# Altium PCB Interface_board.PcbDoc (part 2 of 3)
Units mm, origin at the board's own origin, x right, y up, seen from the top; angles counter-clockwise.
Board outline 158 x 108 mm, 4 copper layers (Component Side, GND, Power plane, Solder Side), stack 1.426 mm thick; 260 components, 154 nets, 862 pads, 877 vias.
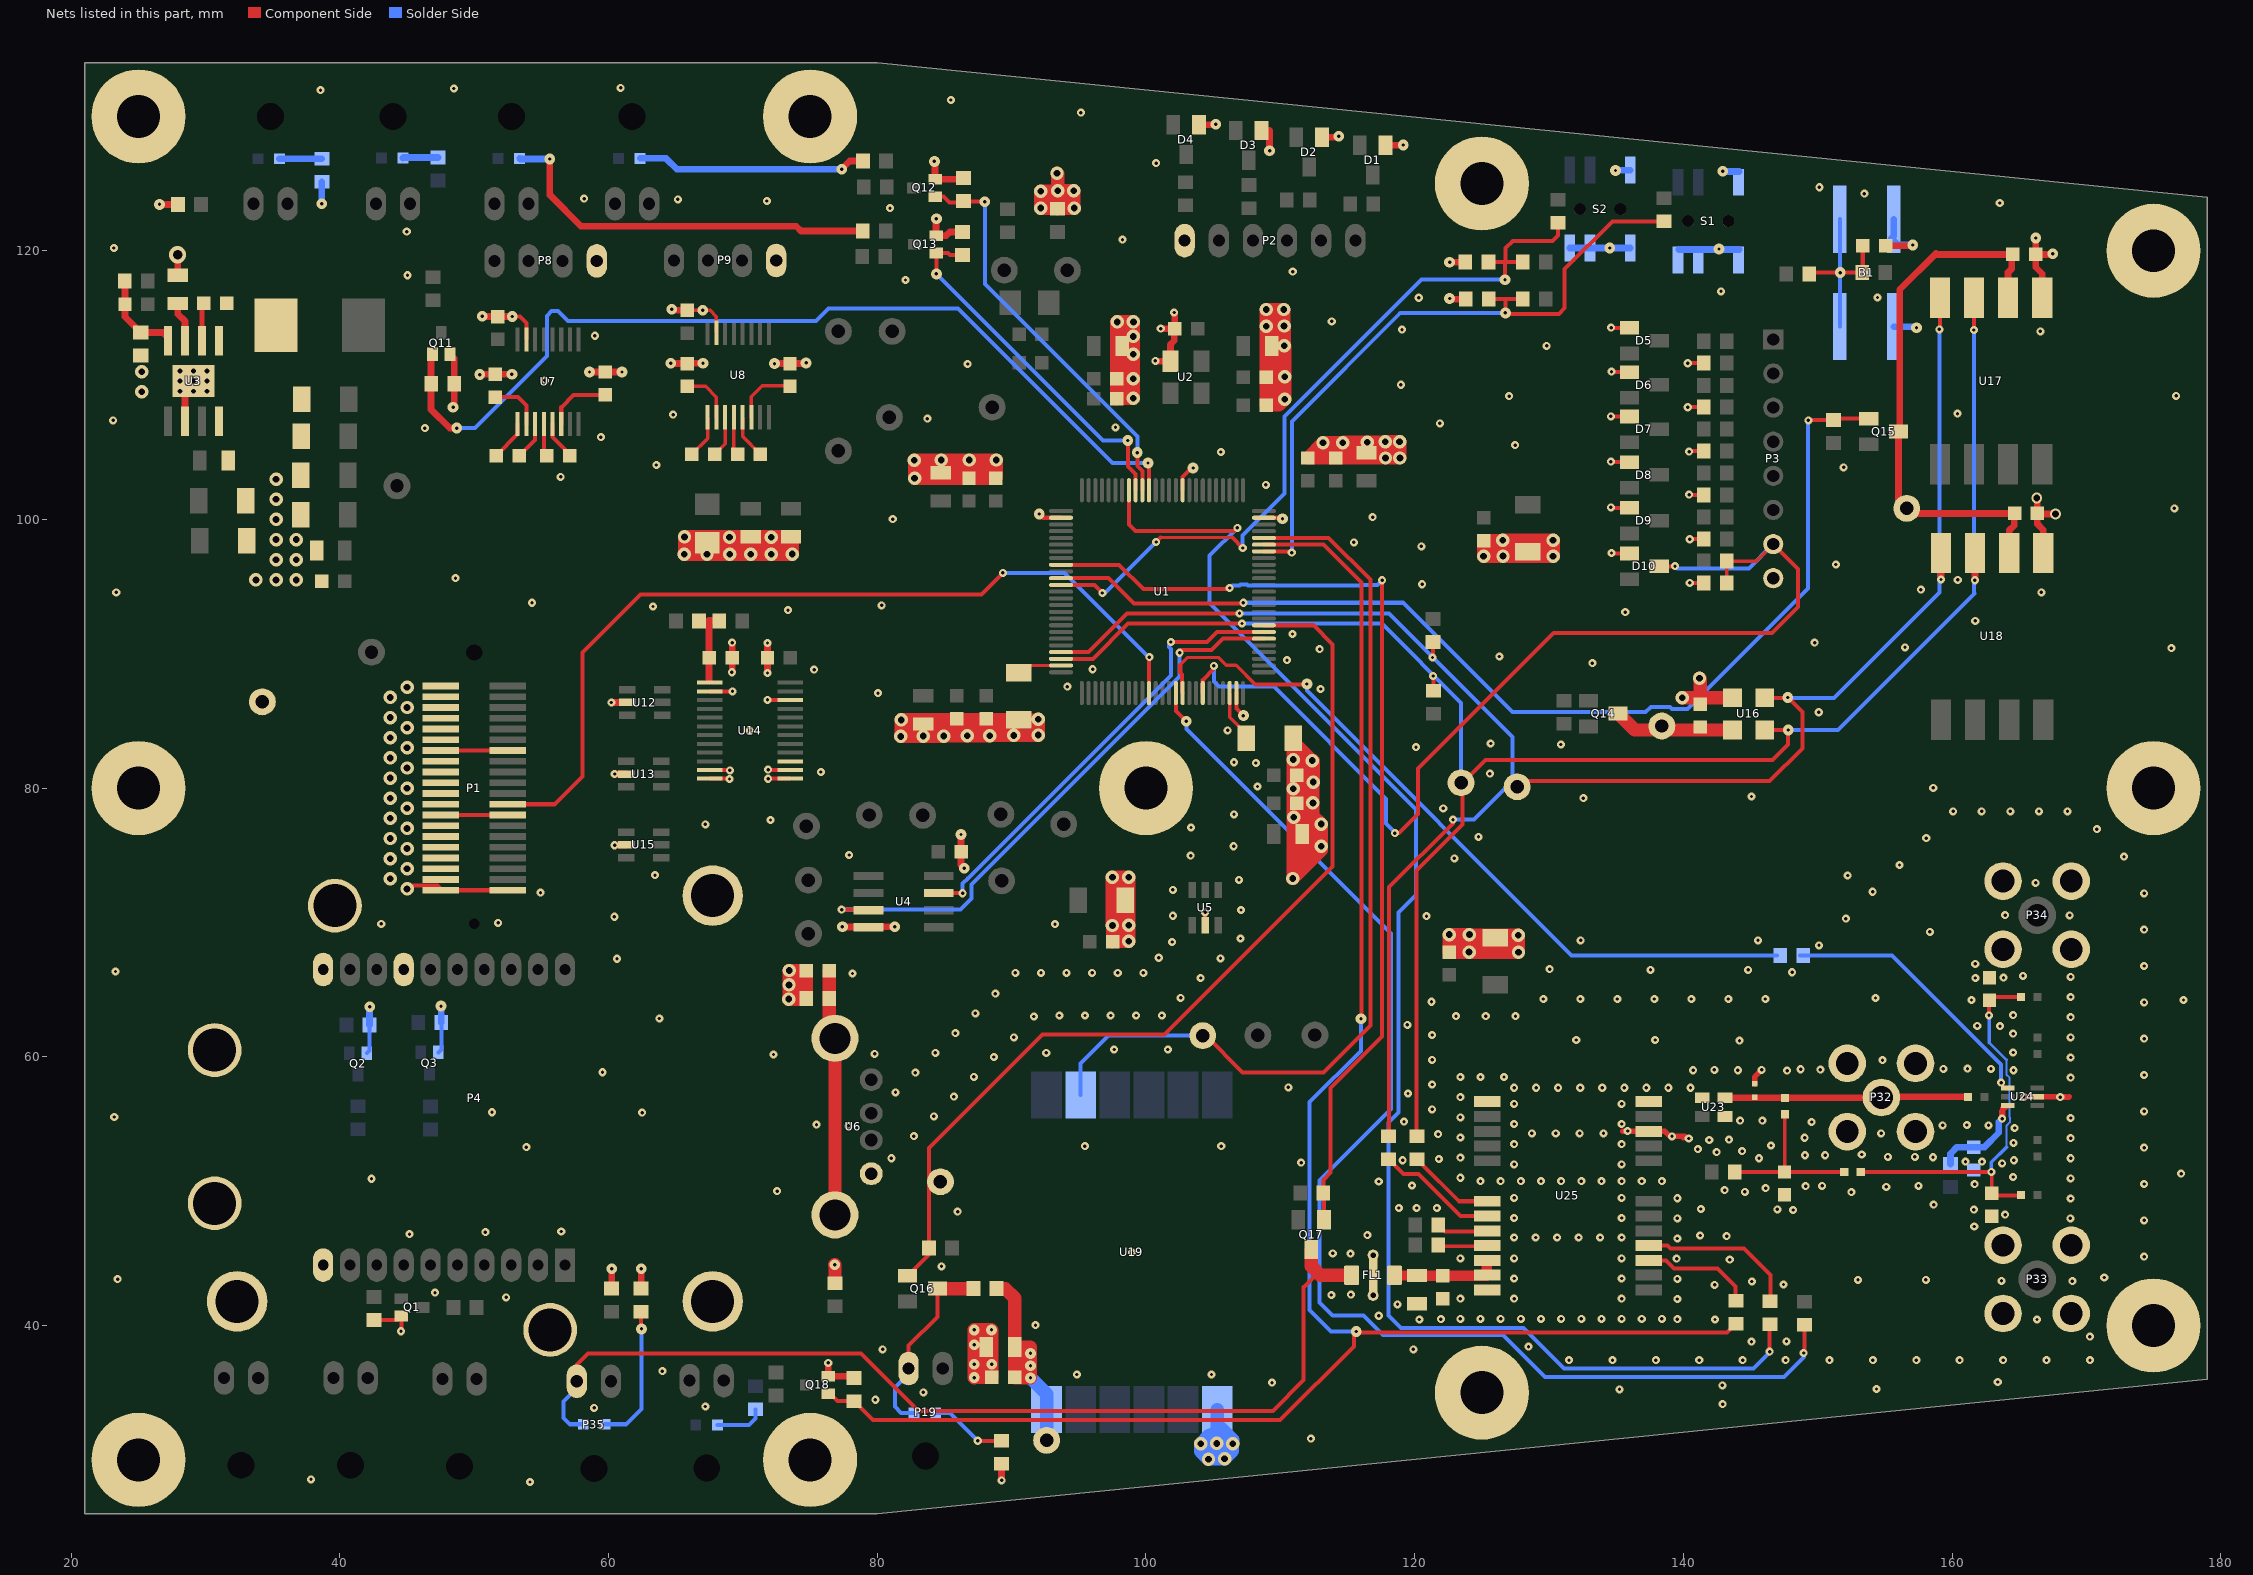
[diagram p4: the nets of this part, all layers, seen from the top]

## Via types
v1: diameter 0.6, hole 0.25, Component Side to Solder Side, 578 vias
v2: diameter 1, hole 0.5, Component Side to Solder Side, 175 vias
v3: diameter 0.8, hole 0.25, Component Side to Solder Side, 116 vias
v4: diameter 0.8, hole 0.5, Component Side to Solder Side, 4 vias
v5: diameter 2, hole 1, Component Side to Solder Side, 2 vias
v6: diameter 1.27, hole 0.711, Component Side to Solder Side, 1 vias
v7: diameter 0.6, hole 0.3, Component Side to Solder Side, 1 vias

## Nets (pads, with @x,y where several pads share a name; then routed paths per layer and width w, separated by ;. In a path a pad name is that pad's centre, name@x,y a point inside that pad or via, vN(x,y) a via of type N, cw(c..) or ccw(c..) an arc to the next point about the centre after c; other vN are vias at no path point) (continued)
AUX_I/O_6: D10.3 P3.7 R15.1 R22.2 U1.69 | length 82.1
  Component Side w0.254: R22.2@143.239,95.264 R15.1@143.239,96.9 145.425,96.9 P3.7@146.689,98.164
  Component Side w0.3: U1.69@104.225,87.075 104.225,88.065 105.05,88.89 v1(105.05,89.1) ; v1(118.525,76.65) 118.825,76.65 120.25,78.075 120.25,81.45 130.35,91.55 146.6,91.55 148.525,93.475 148.525,96.327 P3.7@146.689,98.164 ; D10.3@138.206,96.514 139.364,96.514 v1(139.375,96.525)
  Solder Side w0.3: v1(105.05,89.1) 105.05,87.925 105.42,87.555 109.52,87.555 117.875,79.2 117.875,77.355 118.525,76.705 v1(118.525,76.65) ; v1(139.375,96.525) 139.55,96.35 144.875,96.35 P3.7@146.689,98.164
BOOT0: R23.1 R24.2 R25.2 U1.94 | length 50.9
  Component Side w0.3: U1.94@108.775,97.625 110.75,97.625 v1(110.85,97.525) ; R25.2@125.514,116.4 126.75,116.4 ; R23.1@128.05,116.4 126.75,116.4 ; R24.2@138.55,122.186 134.711,122.186 131.15,118.625 131.15,115.725 130.725,115.3 127.075,115.3 126.75,115.625 126.75,116.4
  Solder Side w0.3: v1(110.85,97.525) 110.85,99.738 110.86,99.748 110.86,107.285 118.925,115.35 126.725,115.35 v3(126.75,115.375)
BOOT1: R26.1 R27.2 R28.2 U1.37 | length 57.8
  Component Side w0.2: 101.075,98.65 106.425,98.65
  Component Side w0.3: U1.37@93.675,95.125 96.15,95.125 v1(96.75,94.525) ; v1@100.7,98.275 v1(100.75,98.325) 101.075,98.65 ; 106.425,98.65 v1(107.2,97.875) ; R28.2@125.489,119.15 125.514,119.175 126.775,119.175 ; v3(126.725,117.85) 126.725,119.125 126.775,119.175 ; R26.1@128.05,119.15 128.025,119.175 126.775,119.175 ; R27.2@130.675,122.086 130.675,121.15 130.25,120.725 127.3,120.725 126.775,120.2 126.775,119.175
  Solder Side w0.3: v1(96.75,94.525) 96.95,94.525 v1(100.75,98.325) ; v1(107.2,97.875) 107.2,98.8 110.325,101.925 110.325,107.675 120.5,117.85 v3(126.725,117.85)
BUZZER: P1.24 U1.61 | length 65.6
  Component Side w0.3: P1.24@52.5,78.8 55.975,78.8 58.05,80.875 58.05,90.1 62.375,94.425 87.75,94.425 v1(89.35,96.025) ; U1.61@100.225,87.075 100.225,89.725 v1(100.25,89.75)
  Solder Side w0.3: v1(89.35,96.025) 93.925,96.025 100.2,89.75 v1(100.25,89.75)
DIF_P_SENS_ENN: Q15.1 R65.1 U1.36 | length 80.8
  Component Side w0.3: U1.36@93.675,95.625 97.225,95.625 99.1,93.75 107.2,93.75 v1(107.25,93.8) ; v1(149.3,107.375) 149.325,107.4 R65.1@151.175,107.4 151.275,107.5 Q15.1@153.8,107.5
  Solder Side w0.3: v1(107.25,93.8) 119.125,93.8 127.275,85.65 137.175,85.65 137.575,86.05 139,86.05 139.165,85.885 140.31,85.885 149.275,94.85 149.275,107.35 v1(149.3,107.375)
FLASH_HOLD: U1.82 U4.7 | length 34.3
  Component Side w0.3: U4.7@84.566,72.185 86.34,72.185 v1(86.35,72.175) ; v1(101.85,90.875) 104.55,90.875 105.3,91.625 U1.82@108.775,91.625
  Solder Side w0.3: v1(86.35,72.175) 86.35,72.9 86.77,73.32 86.782,73.32 87.18,73.718 87.18,73.73 101.85,88.4 101.85,90.363 101.7,90.513 101.7,90.66 v1@101.915,90.875
FLASH_WP: U1.81 U4.3 | length 43.5
  Component Side w0.3: v1(77.35,70.95) 79.315,70.95 U4.3@79.35,70.915 ; v1(102.505,90.079) 102.505,90.13 102.65,90.275 104.875,90.275 105.725,91.125 U1.81@108.775,91.125
  Solder Side w0.3: v1(77.35,70.95) 86.2,70.95 87.025,71.775 87.025,72.825 102.505,88.305 v1(102.505,90.079)
GND: B1.2 B1.3 C1.1 C2.1 C3.1 C4.2 C5.1 C6.1 C7.1 C8.1 C9.1 C10.1 C11.1 C12.1 C13.2 C14.1 C15.1 C16.1 C17.1 C18.1 C19.1 C20.1 C21.1 C22.1 C23.1 C24.1 C25.1 C31.1 C32.1 C33.1 C34.1 C35.1 C36.1 C37.1 C38.1 C39.1 C40.1 C41.1 C42.1 C43.1 C44.1 C47.1 C50.1 C51.1 C52.1 C53.1 C54.1 C75.1 C76.1 C77.1 C78.1 C79.1 C80.1 C81.1 C82.1 C83.1 C84.1 C85.1 C112.1 C116.1 C117.1 C118.1 C119.1 C120.1 D1.1 D2.1 D3.1 D4.1 D5.1 D6.1 D7.1 D8.1 D9.1 D10.1 D27.2 FB1.2 FL1.2 H1.0 H2.0 H3.0 H4.0 H5.0 H6.0 H7.0 H8.0 H9.0 H10.0 H11.0 P1.1 P1.3 P1.5 P1.7 P1.9 P1.11 P1.13 P1.14 P1.15 P1.17 P1.19 P1.21 P1.23 P1.25 P1.26 P1.27 P1.29 P1.31 P1.33 P1.35 P1.37 P1.39 P1.40 P2.6 P3.8 P4.0 P4.10 P4.11 P4.14 P8.4 P9.4 P32.2 P32.3 P32.4 P32.5 P33.2 P33.3 P33.4 P33.5 P34.2 P34.3 P34.4 P34.5 pad.0 pad.GND Q1.2 Q2.2 Q3.2 Q11.2 Q12.2 Q13.2 Q18.2 R6.1 R17.1 R18.1 R19.1 R20.1 R21.1 R22.1 R25.1 R28.1 R29.1 R33.2 R34.1 R35.1 R59.1 R60.1 R61.1 R62.1 R63.1 R67.1 R68.1 R85.1 R86.1 R89.2 S1.1 S1.4 S1.5 S1.6 S2.1 S2.4 S2.5 S2.6 TP6.1 U1.10 U1.27 U1.74 U1.99 U2.2 U3.6 U3.8 U3.PD U4.4 U5.2 U6.4 U7.15 U8.15 U12.2 U13.2 U14.2 U14.11 U14.12 U14.13 U14.14 U14.15 U14.22 U15.2 U16.4 U17.1 U18.1 U19.7 U23.2 U23.4 U24.2 U25.10 U25.12 U25.13 U25.24 | length 490.8
  Component Side w0.254: C50.1@65.85,115.575 v3(67,115.575) 67.55,115.575 68.025,115.1 U8.15@68.025,113.9
  Component Side w0.3: R33.2@42.525,40.411 44.286,40.411 Q1.2@44.575,40.7 44.575,39.6 v1(44.55,39.575) ; v2(45,72.5) 45.25,72.75 47.25,72.75 47.6,72.4 P1.40@52.5,72.4 ; P1.25@47.5,78 P1.26@52.5,78 ; P1.13@47.5,82.8 P1.14@52.5,82.8 ; v3(52.828,115.106) 53.394,115.106 53.875,114.625 U7.15@53.875,113.4 ; U14.12@67.525,80.7 68.975,80.7 v1(69,80.675) ; U14.11@67.525,81.35 69,81.35 v1(69.025,81.325) ; U14.2@67.525,87.2 v1(69.225,87.2) ; v1(71.825,86.575) 71.85,86.55 U14.22@73.525,86.55 ; v1(71.875,80.7) U14.13@73.525,80.7 ; v1(71.875,81.375) 71.9,81.35 U14.14@73.525,81.35 ; v3(92.05,100.4) 92.325,100.125 U1.27@93.675,100.125 ; U1.10@102.725,102.175 102.725,103.15 103.405,103.83 v3(103.505,103.83) ; U5.2@104.4,69.8 v1(104.4,70.75) ; U1.74@106.725,87.075 106.725,85.925 v3(107.25,85.4) ; U1.99@108.775,100.125 110.085,100.125 v3(110.155,100.055) ; v1(134.6,100.9) 134.636,100.864 D9.1@135.989,100.864 ; v1(134.6,104.3) 134.636,104.264 D8.1@135.989,104.264 ; v1(134.6,107.675) 134.611,107.664 D7.1@135.989,107.664 ; v1(134.625,114.275) 134.636,114.264 D5.1@135.989,114.264 ; v1(134.65,97.5) 134.686,97.464 D10.1@135.989,97.464 ; v1(134.65,111) 134.686,110.964 D6.1@135.989,110.964 ; v1(140.325,108.35) 140.33,108.355 R18.1@141.525,108.355 ; v1(140.325,111.625) 140.327,111.627 R17.1@141.525,111.627 ; v1(140.425,101.85) 140.466,101.809 R20.1@141.525,101.809 ; v1(140.425,105.05) 140.457,105.082 R19.1@141.525,105.082 ; v1(140.475,95.275) 140.486,95.264 R22.1@141.525,95.264 ; v1(140.475,98.525) 140.486,98.536 R21.1@141.525,98.536
  Component Side w0.4: 135.501,54.451 U25.10@137.42,54.451 138.624,54.451 139,54.075 v1(139.15,54.075) 139.9,54.075 ; D27.2@145.3,58 145.3,58.5 v1(145.825,59.025) ; v1(165.35,57.025) U24.2@166.35,57.025 168.475,57.025 ; v1(168.05,57) 168.675,57 168.725,57.05 ; 139.9,54.075 140,53.975 140.1,54.075 139.9,54.075
  Component Side w0.5: v3(26.575,123.45) R60.1@27.95,123.45 ; C40.1@27.925,118.175 v6(27.925,119.7) ; U3.6@28.465,107.3 28.465,109.665 U3.PD@29.1,110.3 ; Q11.2@48.2,112.3 48.5,112 R61.1@48.5,110.1 48.5,108.425 v3(48.425,108.35) ; v3(50.402,110.78) 50.422,110.8 v3(52.8,110.8) C51.1@51.55,110.8 ; v3(50.6,115.125) 50.619,115.106 v3(52.828,115.106) 52.822,115.1 C47.1@51.75,115.1 ; v3(58.575,110.975) C52.1@59.75,110.975 v3(61,110.975) ; v1(60.2,86.375) U12.2@61.375,86.375 ; R85.1@60.225,42.875 v3(60.225,44.225) ; v1(60.45,75.75) 60.475,75.775 U15.2@61.3,75.775 ; v1(60.45,81.05) U13.2@61.3,81.05 ; R86.1@62.425,42.75 v3(62.425,44.225) ; v3(64.7,115.65) 64.775,115.575 C50.1@65.85,115.575 ; C53.1@65.85,111.6 64.65,111.6 v3(64.625,111.625) v3(67.025,111.625) ; v1(69.175,88.625) 69.2,88.65 C78.1@69.2,89.7 v1(69.2,90.825) ; v1(71.825,88.575) C77.1@71.825,89.7 v1(71.825,90.8) ; v3(72.35,111.6) v3@74.65,111.6 ; C54.1@73.5,111.6 v3@74.65,111.6 ; v3(74.7,111.65) v3@74.65,111.6 ; v1(76.35,37.225) Q18.2@76.35,36.225 78.114,36.225 R89.2@78.25,36.089 ; U4.4@79.35,69.645 77.43,69.645 v3(77.4,69.675) v3(81.3,69.675) ; v3(84.25,126.65) 84.3,126.6 Q12.2@84.3,125.325 86.311,125.325 R62.1@86.4,125.414 ; v3(84.4,122.375) 84.375,122.35 Q13.2@84.375,121.125 85.125,121.125 85.4,121.4 R63.1@86.325,121.4 ; C41.1@86.25,75.25 86.25,76.525 v3(86.225,76.55) 86.225,74.275 86.471,74.029 v3(86.479,74.029) ; v1(89.25,28.475) R67.1@89.25,29.7 ; v1(100.7,111.8) 100.725,111.775 U2.2@101.825,111.775 101.825,113.025 102.1,113.3 102.1,114.15 C1.1@102.15,114.2 ; v1(101.1,114.2) C1.1@102.15,114.2 ; v1(102.1,115.4) 102.15,115.35 C1.1@102.15,114.2 ; D4.1@103.95,129.375 105.15,129.375 v3(105.2,129.425) ; D3.1@108.6,128.95 109.2,128.95 v3(109.2,127.45) ; D2.1@113.1,128.45 114.275,128.45 v3(114.35,128.525) ; D1.1@117.825,127.85 119.125,127.85 v3(119.15,127.875) ; v3(122.6,116.45) 122.65,116.4 R25.1@123.8,116.4 ; v3(122.6,119.15) R28.1@123.775,119.15 ; C4.2@155.05,120.375 157.025,120.375 v3(157.075,120.425) ; v3(166.225,120.95) C82.1@166.225,119.725 ; v4(166.3,101.6) 166.35,101.55 C83.1@166.35,100.45 C83.1@166.35,100.4 ; U17.1@166.71,116.5 166.71,118.29 166.225,118.775 C82.1@166.225,119.725 ; U18.1@166.79,97.5 166.79,99.21 166.35,99.65 C83.1@166.35,100.4 ; v3(167.5,119.775) 167.45,119.725 C82.1@166.225,119.725 ; v4(167.7,100.4) C83.1@166.35,100.4
  Component Side w1: 65.825,98.075 65.9,98 72.975,98 72.875,98.1 68.425,98.1 v2(69,98.675) v2(72.1,98.675) 73.65,98.675 73.675,98.65 v2(73.675,97.425) 73.65,97.45 73.6,97.4 v2(72.1,97.4) v2(70.575,97.4) v2(69.025,97.4) v2(67.325,97.4) v2(65.625,97.4) 65.65,97.425 v2(65.65,98.7) C12.1@70.575,98.7 C11.1@73.575,98.7 ; v3(76.825,44.525) 76.85,44.5 R68.1@76.85,43.15 ; 82.625,84.475 82.75,84.6 90.075,84.6 90.525,85.05 91.9,85.05 v2(91.975,85.125) v2(91.975,83.95) 91.95,83.925 v2(90.15,83.925) 88.4,83.925 v2(88.375,83.9) v2(86.7,83.9) 84.975,83.9 v2(84.95,83.875) v2(83.425,83.875) 83.4,83.85 v2(81.75,83.85) 81.775,83.875 v2(81.775,85.075) C3.1@90.525,85.075 ; 83.3,103.8 83.325,103.775 88.1,103.775 88.1,103.75 C17.1@88.775,103.075 ; C17.1@88.825,103.075 C17.1@88.775,103.075 ; v2@92.275,124.15 93.125,123.3 FB1.2@93.425,123.3 ; v2(93.375,125.775) 93.425,125.725 v2(93.425,124.475) ; FB1.2@93.425,123.114 FB1.2@93.425,123.175 ; C76.1@97.525,68.55 C76.1@97.525,68.6 ; C10.1@97.825,108.975 C9.1@97.825,110.475 97.825,114.675 v2(97.85,114.7) v2(99.065,114.7) 99.065,113.64 v2(99.05,113.625) v2(99.05,112.3) v2(99.05,110.475) v2(99.05,109.025) 98.35,109.025 98.35,113.95 98.4,114 ; 98.125,72.725 98.1,72.7 98.1,68.6 ; C8.1@108.95,108.5 C7.1@108.95,110.6 v2(108.95,114.375) v2(108.95,115.625) v2(110.25,115.625) 110.25,114.425 v2(110.275,114.4) 110.275,112.95 v2(110.3,112.925) 110.325,112.9 v2(110.325,110.625) 110.325,108.961 v2(110.33,108.955) 109.9,108.525 109.6,108.525 109.675,108.6 109.625,108.65 109.625,115.075 ; v2(110.925,73.275) v2@110.95,73.3 ; C2.1@110.95,83.7 C2.1@110.95,83.525 ; 111.55,81.9 111.55,79.975 ; C24.1@112.025,104.575 C24.1@112.075,104.575 ; 118.425,105.2 118.35,105.125 112.625,105.125 C24.1@112.075,104.575 ; C80.1@122.575,67.8 v2(124.05,67.8) 127.7,67.8 v2(127.725,67.775) 127.725,69.025 v2(127.7,69.05) 124.125,69.05 v2(124.075,69.1) v2(122.575,69.1) 122.575,67.925 122.875,68.225 122.875,68.5 126.9,68.5 127.025,68.375 ; C44.1@125.125,98.425 126.525,98.425 v2(126.55,98.45) v2(130.3,98.45) v2(130.3,97.25) 126.6,97.25 v2(126.575,97.275) 125.15,97.275 v2(125.125,97.25) 125.125,98.15 125.175,98.2 125.575,97.8 129.725,97.8 129.775,97.85 ; v2(139.925,86.725) C81.1@141.25,86.725 ; v2(141.2,88.175) 141.25,88.125 C81.1@141.25,86.725 ; C81.1@141.25,86.25 C81.1@141.25,86.725 ; U16.4@143.65,86.725 C81.1@141.25,86.725 ; v2(73.425,65.35) 73.75,65.35 R29.1@74.725,64.375 ; v2(73.425,65.35) 73.425,64.325 v2(73.4,64.3) 74.65,64.3 R29.1@74.7,64.35 R29.1@74.725,64.375 ; v2(73.425,65.35) v2@73.45,65.375 ; v2@73.45,65.375 v2(73.45,66.425) 73.475,66.4 C42.1@74.475,66.4 ; v2@73.45,65.375 C42.1@74.475,66.4 ; C42.1@74.475,66.4 C42.1@74.725,66.4 R29.1@74.725,64.375 ; v3(87.225,37.125) v3(87.225,36.125) 87.25,36.15 87.888,36.15 ; v3(87.225,37.125) 87.888,37.125 ; v3(87.225,37.125) v3(87.225,38.575) v3(87.225,39.675) 87.875,39.675 ; 87.875,39.675 87.888,39.663 87.888,37.125 ; 87.875,39.675 v3(88.5,39.675) 88.525,39.65 v3(88.525,37.125) ; 87.888,36.15 C84.1@88.525,36.15 v3(88.525,37.125) ; 87.888,36.15 87.888,37.125 ; 87.888,37.125 v3(88.525,37.125) ; C17.1@88.775,103.075 C16.1@86.825,103.075 v2(82.775,103.075) 82.775,104.375 v2(82.75,104.4) 84.725,104.4 v2(84.75,104.425) v2(86.85,104.425) v2(88.85,104.425) 88.85,103.15 C17.1@88.775,103.075 ; FB1.2@93.425,123.175 FB1.2@93.425,123.3 ; FB1.2@93.425,123.175 v2(92.175,123.175) v2(92.175,124.425) 93.3,124.425 93.2,124.325 v2@93.425,124.325 ; FB1.2@93.425,123.175 v2(94.65,123.175) 94.625,123.2 v2(94.625,124.475) v2(93.425,124.475) ; FB1.2@93.425,123.3 v2@93.425,124.325 ; FB1.2@93.425,123.3 93.475,123.3 94.5,124.325 v2@93.425,124.325 ; v2@93.425,124.325 v2(93.425,124.475) ; C76.1@97.525,68.6 97.525,69.75 v2(97.5,69.775) v2(97.5,73.375) v2(98.725,73.375) v2(98.725,69.8) v2(98.725,68.6) 98.1,68.6 ; C76.1@97.525,68.6 98.1,68.6 ; v2@110.95,73.3 113.04,75.39 v2(113.04,75.675) v2(113.04,77.325) 112.425,77.94 v2(112.425,78.9) 112.425,80.425 v2(112.45,80.45) 112.45,82.034 112.43,82.054 v2(112.38,82.054) v2@112.346,82.054 ; v2@110.95,73.3 v2(110.95,79.95) ; v2(110.95,79.95) 111.525,79.95 111.55,79.975 ; v2(110.95,79.95) C22.1@111.55,79.35 ; v2(110.95,79.95) v2(110.95,82.125) ; v2(110.95,82.125) 110.996,82.079 v2@112.321,82.079 ; v2(110.95,82.125) C2.1@110.95,83.525 ; C2.1@110.95,83.525 111.075,83.65 111.075,83.325 v2@112.321,82.079 ; C20.1@111.55,77.275 v2(111,77.825) 111.3,77.825 111.55,78.075 ; C20.1@111.55,77.275 111.65,77.175 C20.1@111.925,77.175 ; C20.1@111.55,77.275 111.55,76.7 C20.1@111.925,76.325 ; C20.1@111.55,77.275 111.55,78.075 ; 111.55,78.075 112.275,78.8 112.1,78.8 C22.1@111.55,79.35 ; 111.55,78.075 C22.1@111.55,79.35 ; C22.1@111.55,79.35 111.55,79.975 ; 111.55,79.975 112.15,80.575 112.15,81.8 112.375,82.025 v2@112.346,82.054 ; C20.1@111.925,76.325 C20.1@112.05,76.2 ; C20.1@111.925,76.325 111.925,76.175 C20.1@111.975,76.125 ; C20.1@111.925,76.325 C20.1@111.925,77.175 ; C20.1@111.925,77.175 112.425,77.175 111.925,77.675 C20.1@111.925,77.175 ; C20.1@111.975,76.125 C20.1@112.05,76.05 ; C20.1@111.975,76.125 111.525,75.675 111.525,74.8 112.275,75.55 112.275,75.75 ; C20.1@111.975,76.125 C20.1@112.05,76.2 ; C20.1@112.05,76.05 112.275,75.825 112.275,75.75 ; C20.1@112.05,76.05 111.85,75.85 111.85,75.325 112.275,75.75 ; C20.1@112.05,76.05 112.125,76.125 ; C20.1@112.05,76.2 112.125,76.125 ; C20.1@112.05,76.2 112.375,76.525 112.525,76.525 112.125,76.125 ; C24.1@112.075,104.575 C25.1@114.125,104.575 v2(117.825,104.575) v2(118.9,104.575) 118.9,105.75 v2(118.875,105.775) v2(117.8,105.775) 117.775,105.75 v2(116.475,105.75) 114.7,105.75 v2(114.65,105.7) v2(113.175,105.7) 112.075,104.6 C24.1@112.075,104.575 ; 112.125,76.125 112.425,75.825 112.35,75.825 112.275,75.75 ; v2@112.321,82.079 v2@112.346,82.054
  Solder Side w0.3: Q2.2@42,60.275 42.2,60.475 R34.1@42.2,62.375 ; Q3.2@47.325,60.325 47.55,60.55 R35.1@47.55,62.55
  Solder Side w0.5: v3(38.65,123.5) R59.1@38.65,125.125 ; R34.1@42.2,62.375 42.2,63.7 v3(42.225,63.725) ; v3(47.525,63.775) 47.55,63.75 R35.1@47.55,62.55 ; S2.4@131.55,120.2 S2.5@133.05,120.2 v3(134.525,120.2) S2.6@136.05,120.2 ; v3(134.95,125.975) 134.975,126 S2.1@136.05,126 ; S1.4@139.65,120.1 S1.6@144.15,120.1 ; v3(142.925,125.925) 142.95,125.9 S1.1@144.15,125.9 ; B1.3@155.65,114.35 157.275,114.35 v3(157.35,114.275) ; B1.2@155.65,122.35 155.65,121.075 155.487,120.913 155.975,120.425 v3(157.075,120.425)
  Solder Side w1: 104.75,31.85 104.725,31.85 v2@104.1,31.225 ; v2@105.3,31.25 v2(105.275,31.225) ; U19.7@105.3,33.75 U19.7@105.3,32.3 ; v2@104.1,31.225 v2(104.075,31.2) 104.075,30.625 v2(104.65,30.05) v2@104.683,30.083 ; v2@104.1,31.225 v2(105.275,31.225) ; v2@104.683,30.083 v2(105.85,30.083) ; v2@104.683,30.083 105.275,30.675 ; 105.275,30.675 v2(105.275,31.225) ; 105.275,30.675 105.275,30.658 v2(105.85,30.083) ; v2(105.275,31.225) v2@106.425,31.225 ; v2(105.275,31.225) 105.275,32.275 U19.7@105.3,32.3 ; U19.7@105.3,32.3 105.65,32.3 106.45,31.5 v2(106.45,31.2) v2@106.425,31.225 ; v2(105.85,30.083) 106.425,30.658 v2@106.425,31.225
  other v1: 54.15,28.35 37.85,28.55 112.275,31.575 58.925,33.875 67.2,33.975 142.925,34.15 79.85,34.475 83.425,35.025 135.25,35.25 154.375,35.275 142.9,35.55 109.375,35.75 163.4,35.8 94.85,36.35 104.875,36.35 64,36.6 131.488,37.425 134.719,37.425 137.95,37.425 141.181,37.425 144.413,37.425 147.607,37.427 150.875,37.425 154.106,37.425 157.337,37.425 160.569,37.425 163.8,37.425 167.031,37.425 170.262,37.425 80.4,38.225 119.9,38.225 128.475,38.425 145.075,38.8 147.675,38.825 170.25,39.175 91.775,40.025 120.35,40.45 142.35,40.45 166.325,40.45 121.95,40.475 123.4,40.5 124.9,40.5 126.4,40.5 127.9,40.5 129.4,40.5 130.9,40.5 132.4,40.5 133.9,40.5 135.4,40.5 136.9,40.5 138.4,40.5 139.55,40.475 117.325,40.725 118.725,41.575 139.55,41.975 123.4,42 127.4,42 135.4,42 52.375,42.1 113.8,42.275 115.25,42.3 47.075,42.45 142.325,43.025 147.45,43.05 145.1,43.275 168.95,43.3 163.675,43.325 153,43.4 158.05,43.4 23.45,43.45 139.55,43.475 127.4,43.5 135.4,43.5 171.325,43.575 84.775,44.4 143.45,44.9 139.5,44.975 123.4,45 127.4,45 135.4,45 174.3,45.125 115.225,45.35 113.9,45.375 98.95,45.425 139.55,46.475 127.4,46.55 129,46.55 130.6,46.55 132.2,46.55 133.8,46.55 135.4,46.55 143.225,46.65 141.25,46.7 116.475,46.725 45.175,46.8 50.825,46.95 56.475,47 161.65,47.375 174.3,47.83 139.55,47.975 168.8,47.975 127.4,48 135.4,48 163.95,48.25 85.975,48.475 148.175,48.6 161.625,48.625 147,48.65 141.3,48.675 118.825,48.75 120.15,48.75 121.65,48.75 158.625,49 168.825,49.45 139.55,49.475 127.4,49.5 135.4,49.5 152.5,49.925 144.575,49.95 72.55,50 143.075,50.075 146.125,50.225 155.1,50.325 149.1,50.375 150.325,50.4 157.5,50.4 119.8,50.425 161.675,50.525 174.3,50.534 117.325,50.725 124.9,50.75 126.4,50.75 127.9,50.75 129.4,50.75 130.9,50.75 132.4,50.75 133.9,50.75 135.4,50.75 136.9,50.75 138.4,50.75 42.35,50.925 168.825,50.95 123.4,51 164.55,51.05 177.05,51.3 127.4,52 135.4,52 163.725,52.075 111.55,52.125 161,52.2 162.225,52.2 119.1,52.3 164.6,52.3 121.8,52.4 81.05,52.45 145.625,52.45 168.825,52.45 123.4,52.5 158.575,52.525 155.225,52.55 157.225,52.55 149.05,52.675 150.55,52.675 153.275,52.725 142.475,52.9 144.375,52.975 141.075,53.125 174.3,53.239 53.875,53.275 95.45,53.35 105.6,53.35 146.525,53.4 127.4,53.5 135.4,53.5 164.575,53.6 141.926,53.812 143.393,53.83 140.4,53.925 168.825,53.95 149.025,53.975 123.4,54 82.725,54.1 121.75,54.245 128.725,54.3 130.5,54.3 132.275,54.3 134.05,54.3 154.725,54.3 135.85,54.475 164.658,54.703 77.859,54.863 159.3,54.9 161.1,54.925 162.708,54.903 75.475,54.95 127.4,55 135.4,55 149.55,55.15 119.2,55.175 144.225,55.25 145.875,55.25 168.825,55.45 123.4,55.5 23.2,55.525 84.212,55.571 62.5,55.85 51.325,55.875 174.3,55.943 121.3,56.09 127.4,56.5 135.4,56.5 123.4,57 85.7,57.042 119.5,57.275 81.35,57.35 127.4,57.7 129.041,57.7 130.681,57.7 132.322,57.7 133.962,57.7 135.603,57.7 137.244,57.7 138.884,57.7 140.525,57.7 110.6,57.725 121.3,57.935 168.825,58.45 123.4,58.5 124.9,58.5 126.65,58.5 87.187,58.512 174.3,58.648 82.838,58.821 59.55,58.85 147.725,58.975 140.725,59 144.05,59 164.575,59 142.3,59.025 150.2,59.05 148.725,59.075 159.35,59.1 162.9,59.1 161.15,59.125 154.825,59.75 121.3,59.78 168.825,59.95 88.675,59.983 72.275,60.175 79.8,60.225 84.325,60.292 92.575,60.3 164.55,60.325 97.625,60.55 101.625,60.55 144.175,61.2 132.025,61.25 137.9,61.25 174.3,61.352 90.162,61.454 168.825,61.45 121.3,61.625 164.55,61.725 85.813,61.762 163.567,62.279 161.875,62.3 119.45,62.375 63.775,62.85 168.825,62.95 91.65,63 123.075,63.025 125.287,63.025 127.5,63.025 93.555,63.075 95.46,63.075 97.365,63.075 99.27,63.075 101.175,63.075 164.55,63.101 87.3,63.233 174.3,64.057 121.25,64.1 161.45,64.225 177.225,64.225 129.575,64.3 132.329,64.3 135.083,64.3 137.837,64.3 140.592,64.3 143.346,64.3 146.1,64.3 154.3,64.375 102.575,64.392 168.825,64.45 88.788,64.704 104.062,65.862 161.733,65.872 163.83,65.893 168.825,65.95 165.275,66.025 78.15,66.2 90.275,66.25 92.18,66.25 94.085,66.25 95.99,66.25 97.895,66.25 99.8,66.25 148.096,66.296 23.3,66.35 137.55,66.475 144.825,66.475 130.05,66.525 174.3,66.761 161.725,66.925 60.625,67.3 105.55,67.333 100.95,67.375 150.093,68.293 101.95,68.55 132.35,68.675 145.55,68.675 107.037,68.804 158.35,69.3 174.3,69.466 93.225,69.875 43.075,69.9 51.775,69.975 152.089,70.289 60.425,70.425 120.875,70.475 102,70.5 168.75,70.525 163.95,70.55 107.075,70.925 174.3,72.17 54.925,72.225 154.086,72.286 102,72.425 166.225,72.95 106.925,73.175 152.225,73.5 63.45,73.525 156.082,74.282 122.95,74.775 172.8,74.9 103.325,74.975 77.9,75.025 106.525,75.675 158.079,76.279 124.75,76.375 170.775,76.95 103.35,77.075 67.2,77.3 72.05,77.625 106.55,78.05 160.075,78.275 162.205,78.275 164.335,78.275 166.465,78.275 168.595,78.275 122.125,78.5 132.55,79.25 145.075,79.375 158.6,80.025 108.3,80.125 125.6,81.075 75.8,81.2 108.175,81.875 106.55,81.925 120.1,83.05 130.875,83.25 125.65,83.325 70.5,84.3 106.075,84.3 150.075,85.65 80.05,87.075 113,87.375 94.15,87.55 75.3,88.825 96.025,88.85 133.225,89.3 110.5,89.525 126.3,89.8 112.925,90.35 176.325,90.425 156.5,90.475 149.775,90.825 110.9,91.475 161.725,92.45 135.675,93.1 73.35,93.25 63.3,93.525 80.325,93.6 54.3,93.8 23.35,94.575 166.65,94.575 157.675,94.775 120.55,95.175 160.42,95.5 48.6,95.625 151.35,96.65 120.5,98 115.475,98.3 81.15,100.025 116.875,100.175 176.55,100.825 108.925,102.575 56.425,103.175 151.925,103.875 63.55,104.05 105.575,105.025 127.475,105.525 59.425,106.125 46.325,106.8 97.725,106.85 121.875,107.15 23.125,107.375 83.725,107.5 64.8,107.8 160.4,107.875 127.025,109.175 176.675,109.2 118.975,110.025 55.25,110.35 86.725,111.575 129.825,112.925 58.975,113.675 166.575,114 119.05,114.125 113.825,114.75 120.3,116.5 154.45,116.525 142.8,116.975 82.1,117.825 45.025,118.175 110.925,118.45 23.175,120.2 98.25,120.825 44.975,121.425 80.95,123.175 163.55,123.55 71.775,123.7 65.15,123.825 58.175,123.875 153.475,124.25 150.125,124.725 100.75,126.525 95.15,130.275 85.475,131.225 38.55,131.95 48.475,132.075 60.9,132.125
  other v2: 43.75,73.25 45,74 43.75,74.75 45,75.5 43.75,76.25 45,77 43.75,77.75 45,78.5 43.75,79.25 45,80 43.75,80.75 45,81.5 43.75,82.25 45,83 43.75,83.75 45,84.5 43.75,85.25 45,86 43.75,86.75 45,87.5 33.75,95.5 35.25,95.5 36.75,95.5 35.25,97 36.75,97 35.25,98.5 36.75,98.5 35.25,100 35.25,101.5 35.25,103 25.25,109.5 25.25,111
  other v3: 142.65,120.125
GPS_ENN: Q17.1 R83.1 U1.34 | length 74.7
  Component Side w0.3: U1.34@93.675,96.625 98,96.625 99.8,94.825 106.3,94.825 106.375,94.9 v1(106.225,94.9) ; Q17.1@113.25,47.875 113.25,49.825 R83.1@113.2,49.875 113.2,50.85 113.75,51.4 ; 113.75,51.425 113.75,57.675 117.575,61.5 v1(117.575,95.475)
  Solder Side w0.3: v1(106.225,94.9) 106.425,95.1 106.977,95.1 107.032,95.155 107.529,95.155 107.583,95.1 115.936,95.1 115.961,95.125 117.225,95.125 v1(117.575,95.475)
GPS_EXTINT: FB11.2 U1.18 | length 110.2
  Component Side w0.3: U1.18@98.725,102.175 98.725,99.625 99.225,99.125 106.55,99.125 v1(106.8,99.375) ; v1(146.425,38.05) 146.425,40.061 FB11.2@146.45,40.086
  Solder Side w0.3: v1(106.8,99.375) 104.725,97.3 104.725,93.775 120.1,78.4 120.1,72.048 118.8,70.748 118.8,55.85 118.06,55.11 118.06,40.74 118.975,39.825 128.1,39.825 131.125,36.8 145.225,36.8 v1@146.45,38.025
GPS_RESETN: FB12.2 U1.65 | length 95.5
  Component Side w0.3: U1.65@102.225,87.075 102.225,85.75 v3(103,84.975) ; v1(148.95,37.95) 149,38 FB12.2@149,40.061
  Solder Side w0.3: v3(103,84.975) 103,84.4 118.225,69.175 118.225,56.1 112.925,50.8 112.925,41.725 113.9,40.75 116.175,40.75 117.625,39.3 126.575,39.3 129.7,36.175 147.475,36.175 148.963,37.663 v1@148.963,37.938
GPS_SWITCH: FB9.1 U1.66 | length 56.3
  Component Side w0.25: 102.55,89.175 102.7,89.325 102.7,89.338 103.037,89.675 103.05,89.675 103.1,89.725 105.383,89.725 105.958,89.15 106.7,89.15 108.15,87.7
  Component Side w0.3: 102.55,89.175 102.55,88.6 102.675,88.475 102.675,87.125 U1.66@102.725,87.075 ; 108.15,87.7 111.925,87.7 v3(111.975,87.75)
  Solder Side w0.3: v3(111.975,87.75) 111.975,87.25 131.675,67.55 FB9.1@146.95,67.55
GPS_TIMEPULSE: FB10.2 Q18.1 R89.1 U1.95 | length 140.3
  Component Side w0.3: Q18.1@76.35,34.925 76.475,34.925 77.025,34.375 R89.1@78.25,34.375 79.675,32.95 109.975,32.95 115.475,38.45 115.475,39.475 143.264,39.475 FB10.2@143.925,40.136 ; U1.95@108.775,98.125 108.8,98.15 113.2,98.15 116.05,95.3 116.05,62.925 v3(116,62.825)
  Solder Side w0.3: v3(115.65,39.55) 113.775,39.55 112.175,41.15 112.175,56.625 116,60.45 v3(116,62.825)
I2C2_SCL: FB5.1 R1.1 TP2.1 U1.47 U16.3 U17.4 U18.4 | length 141.3
  Component Side w0.3: U1.47@93.675,90.125 95.725,90.125 98.563,92.963 98.55,92.975 98.58,93.005 v1(106.955,93.005) ; FB5.1@118.1,54.275 118.1,72.625 122.85,77.375 v1(122.85,77.65) ; v1(121.325,89.725) 121.35,89.75 R1.1@121.35,90.875 R1.1@121.35,91.1 ; TP2.1@127.275,80.525 146.425,80.525 148.85,82.95 148.85,85.675 v3(147.775,86.75) 147.75,86.725 U16.3@146.05,86.725 ; v1(159.05,114.15) 159.09,114.19 U17.4@159.09,116.5
  Component Side w0.5: U18.4@159.17,97.5 159.17,95.53 v1(159.175,95.525)
  Solder Side w0.3: v1(106.955,93.005) 118.07,93.005 127.275,83.8 127.275,80.525 124.4,77.65 v1(122.85,77.65) ; v3@147.775,86.5 148,86.725 151.2,86.725 159.05,94.575 v1(159.05,114.15)
I2C2_SDA: FB4.1 R2.1 TP3.1 U1.48 U16.2 U17.3 U18.3 | length 138.5
  Component Side w0.3: U1.48@93.675,89.625 96.05,89.625 98.675,92.25 v1(107.15,92.25) ; FB4.1@120.125,54.225 120.125,73.858 123.56,77.293 123.56,80.29 TP3.1@123.45,80.4 123.575,80.4 125.275,82.1 146.65,82.1 147.8,83.25 v3(147.8,84.325) U16.2@146.05,84.325 ; v1(121.375,88.35) 121.4,88.325 R2.1@121.4,87.25 ; v1(161.625,114.1) 161.63,114.105 U17.3@161.63,116.5
  Component Side w0.5: v1(161.7,95.475) 161.71,95.485 U18.3@161.71,97.5
  Solder Side w0.3: v1(107.15,92.25) 117.55,92.25 123.45,86.35 TP3.1@123.45,80.4 ; v3(147.8,84.325) 151.525,84.325 161.675,94.475 161.625,94.525 v1(161.625,114.1)
IMU_ENN: Q16.1 R66.1 TP38.1 U1.83 | length 71.1
  Component Side w0.3: Q16.1@82.25,43.7 83.85,45.3 R66.1@83.85,45.775 83.85,53.225 92.3,61.675 101.375,61.675 113.875,74.175 113.875,90.7 112.45,92.125 U1.83@108.775,92.125
IMU_INT0: TP35.1 U1.96 U19.2 | length 69.8
  Component Side w0.3: TP35.1@104.475,61.575 107.2,58.85 113.225,58.85 116.7,62.325 116.7,95.525 113.6,98.625 U1.96@108.775,98.625
  Solder Side w0.3: U19.2@95.14,57.15 95.14,59.515 97.2,61.575 TP35.1@104.225,61.575 TP35.1@104.475,61.575
LED_1: Q11.1 R61.2 U1.15 | length 71
  Component Side w0.3: v3(100.15,104.2) 100.225,104.125 U1.15@100.225,102.175
  Component Side w0.5: Q11.1@46.9,112.3 46.786,112.186 R61.2@46.786,110.1 46.786,108.189 48.175,106.8 v3(48.7,106.8)
  Solder Side w0.3: v3(48.7,106.8) 50.05,106.8 55.4,112.15 55.4,115.149 55.751,115.5 56.249,115.5 56.974,114.775 75.425,114.775 76.35,115.7 86,115.7 97.5,104.2 v3(100.15,104.2)
LED_2: Q12.1 R62.2 U1.16 | length 30.3
  Component Side w0.3: Q12.1@84.3,124.025 84.925,124.025 85.375,123.575 86.275,123.575 R62.2@86.4,123.7 86.45,123.65 v3(88,123.65) ; v3(99.35,104.975) 99.35,103.975 99.725,103.6 U1.16@99.725,102.175
  Solder Side w0.3: v3(88,123.65) 88,117.525 99.35,106.175 v3(99.35,104.975)
LED_3: Q13.1 R63.2 U1.17 | length 26.9
  Component Side w0.3: v3(84.4,118.275) 84.4,119.8 Q13.1@84.375,119.825 85.25,119.825 85.4,119.675 86.314,119.675 R63.2@86.325,119.686 ; v3(98.65,105.875) 98.65,103.95 99.225,103.375 U1.17@99.225,102.175
  Solder Side w0.3: v3(84.4,118.275) 96.8,105.875 v3(98.65,105.875)
NetB1_1: B1.1 B1.4 C4.1 R3.1 R4.2 | length 14
  Component Side w0.3: R4.2@149.364,118.275 149.464,118.375 v3(151.675,118.375) R3.1@153.325,118.375 153.35,118.4 C4.1@153.35,120.375
  Solder Side w0.3: B1.4@151.65,114.35 151.675,114.375 v3(151.675,118.375) 151.65,118.4 B1.1@151.65,122.35
NetC2_2: C2.2 U1.73 | length 3.8
  Component Side w0.254: U1.73@106.225,87.075 106.225,85.275 C2.2@107.625,83.875
NetC3_2: C3.2 U1.49 | length 3.4
  Component Side w0.254: C3.2@90.525,88.475 91.175,89.125 U1.49@93.675,89.125
NetC29_1: C29.1 L1.1 U3.1
NetC29_2: C29.2 U3.2 | length 2.9
  Component Side w0.4: U3.2@29.735,113.3 29.735,115.96 C29.2@29.875,116.1
NetC30_1: C30.1 R5.1 R6.2 U3.4 | length 6.8
  Component Side w0.5: R5.1@23.975,117.75 24,117.725 C30.1@24,116.025 24,115.089 R6.2@25.175,113.914 26.814,113.914 26.825,113.925 27.195,113.555 U3.4@27.195,113.3
NetC40_2: C40.2 U3.3 | length 3
  Component Side w0.5: C40.2@27.925,116.075 27.925,115.3 28.465,114.76 U3.3@28.465,113.3
NetC42_2: C42.2 R29.2 U6.0 | length 18.3
  Component Side w1: C42.2@76.425,66.4 76.425,61.795 U6.0@76.85,61.37 U6.0@76.85,48.23
NetC45_1: C45.1 U7.5 | length 2.9
  Component Side w0.3: U7.5@55.825,107.1 55.825,106.15 57.1,104.875 C45.1@57.1,104.75
NetC45_2: C45.2 U7.4 | length 2.4
  Component Side w0.3: U7.4@55.175,107.1 55.175,104.975 C45.2@55.4,104.75
NetC46_1: C46.1 U7.3 | length 2.8
  Component Side w0.3: C46.1@53.35,104.75 54.525,105.925 U7.3@54.525,107.1
NetC46_2: C46.2 U7.1 | length 3
  Component Side w0.3: C46.2@51.65,104.75 51.65,104.775 53.225,106.35 U7.1@53.225,107.1
NetC48_1: C48.1 U8.5 | length 3.3
  Component Side w0.254: U8.5@69.975,107.6 69.975,106.175 C48.1@71.3,104.85
NetC48_2: C48.2 U8.4 | length 2.9
  Component Side w0.254: U8.4@69.325,107.6 69.325,105.125 C48.2@69.6,104.85
NetC49_1: C49.1 U8.3 | length 3.1
  Component Side w0.254: C49.1@67.9,104.85 68.675,105.625 U8.3@68.675,107.6
NetC49_2: C49.2 U8.1 | length 3.2
  Component Side w0.254: C49.2@66.2,104.85 67.375,106.025 U8.1@67.375,107.6
NetC51_2: C51.2 U7.2 | length 4
  Component Side w0.3: C51.2@51.55,109.1 53.25,109.1 53.875,108.475 U7.2@53.875,107.1
NetC52_2: C52.2 U7.6 | length 4.9
  Component Side w0.3: U7.6@56.475,107.1 56.475,108.35 57.4,109.275 C52.2@59.75,109.275
NetC53_2: C53.2 U8.2 | length 4
  Component Side w0.254: C53.2@65.85,109.9 67.225,109.9 68.025,109.1 U8.2@68.025,107.6
NetC54_2: C54.2 U8.6 | length 4.4
  Component Side w0.254: U8.6@70.625,107.6 70.625,109.125 71.45,109.95 73.1,109.95 C54.2@73.15,110
NetC78_2: C78.2 R51.1 R52.1 U14.1 | length 11.3
  Component Side w0.3: 67.475,92.475 67.5,92.45 67.5,92.425 C78.2@67.5,89.7 67.5,88.075 67.5,87.875 U14.1@67.525,87.85
  Component Side w0.5: R52.1@66.725,92.425 67.475,92.425 ; 67.5,88.075 67.475,88.1 67.475,92.425 ; 67.475,92.425 67.5,92.425 68.2,92.425 R51.1@68.225,92.45 68.2,92.475 67.475,92.475 67.475,92.425
NetC81_2: C81.2 Q14.3 TP32.1 U16.1 | length 9
  Component Side w1: Q14.3@135.143,85.55 136.368,84.325 U16.1@143.65,84.325
NetC82_2: C82.2 C83.2 Q15.3 TP33.1 U17.2 U18.2 | length 40.8
  Component Side w0.5: U17.2@164.17,116.5 164.17,118.395 164.45,118.675 164.45,119.65 C82.2@164.525,119.725 158.875,119.725 158.8,119.8 156.1,117.1 156.1,106.632 Q15.3@156.018,106.55 156.018,101.432 TP33.1@156.625,100.825 157,100.45 C83.2@164.65,100.45 164.625,100.425 164.625,99.55 164.25,99.175 U18.2@164.25,97.5
NetC84_2: C84.2 C85.2 FB3.1 TP34.1 U19.12 | length 22.5
  Component Side w1: FB3.1@88.875,42.75 89.525,42.75 90.225,42.05 C85.2@90.225,38.4 ; 90.225,36.9 C85.2@90.225,38.4 ; 90.225,36.9 C84.2@90.225,36.15 90.275,36.1 v3(91.4,36.1) v3(91.4,37) ; 90.225,36.9 90.325,37 v3(91.4,37) ; C85.2@90.225,38.4 91.4,38.4 v3(91.4,37.925) v3@91.4,37.225 ; C85.2@90.225,38.4 v3@91.4,37.225 ; v3(91.4,37) v3@91.4,37.225
  Solder Side w1: v3(91.4,37.925) v3(91.4,37) v3(91.4,36.1) 92.6,34.9 U19.12@92.6,33.75 TP34.1@92.6,31.45 TP34.1@92.6,31.05
NetC112_2: C112.2 FB6.1 U24.6 | length 8.1
  Component Side w0.3: U24.6@164.15,56.35 163.725,55.925 163.725,56.175 163.925,56.375 U24.6@164.15,56.375
  Component Side w0.5: v1(163.725,55.4) 163.725,55.925
  Solder Side w0.5: FB6.1@159.875,52.025 159.875,52.782 160.368,53.275 C112.2@161.625,53.275 162.416,53.28 163.476,54.352 163.472,55.144 v1(163.725,55.4) 163.747,55.423 163.747,55.4 v1@163.748,55.377
NetC114_2: C114.2 D27.1 L4.2 P32.1 U23.1 | length 18.1
  Component Side w0.28: P32.1@153.554,57.395 P32.1@153.554,57.417 ; P32.1@153.563,56.573 P32.1@153.589,56.573
  Component Side w0.5: U23.1@143.1,56.95 L4.2@147.55,56.95 P32.1@154.717,56.95 ; P32.1@154.716,57.024 C114.2@161.2,57.024
NetC116_2: C116.2 L4.1 L6.1 R84.2 | length 12.5
  Component Side w0.28: R84.2@143.814,51.425 C116.2@147.525,51.425 C116.2@147.55,51.425 ; L4.1@147.55,55.725 C116.2@147.55,51.425 ; L6.1@151.975,51.425 C116.2@147.55,51.425
NetC117_2: C117.2 C118.2 L3.1 L5.1 L6.2 | length 30
  Component Side w0.28: L6.2@153.2,51.425 162.8,51.425 162.922,51.547 v1(162.922,51.433) ; v1(162.754,63.092) 162.754,64.101 C118.2@162.818,64.165 ; C118.2@162.802,64.221 163.043,64.462 L5.1@165.125,64.462 ; C117.2@162.911,49.777 163.006,49.682 L3.1@165.125,49.682 ; C117.2@162.95,49.838 162.95,51.328 v1@162.967,51.345
  Solder Side w0.15: 164.05,53.275 164.05,54.239 164.055,54.244 164.055,54.448 164.05,54.452 164.05,54.862 164.304,55.115 164.304,55.495 164.289,55.51 164.289,58.436 164.05,58.675 164.05,59.775
  Solder Side w0.2: 162.765,61.06 164.05,59.775
  Solder Side w0.28: v1@162.754,63.07 162.765,63.059 162.765,61.06 ; v1(162.922,51.433) 162.922,52.147 164.05,53.275
NetC119_2: C119.2 C120.2 FL1.3 U25.22 U25.23 | length 8
  Component Side w0.8: FL1.3@118.5,43.735 120.175,43.705 120.45,43.7 125.363,43.7 U25.22@125.363,44.8
NetD16_C: D16.C R53.2 | length 2.6
  Solder Side w0.5: D16.C@44.7,126.9 44.739,126.939 R53.2@47.3,126.939
NetD17_C: D17.C R55.2 | length 17.2
  Component Side w0.5: v3(77.35,126.075) 77.95,126.675 R55.2@78.936,126.675
  Solder Side w0.5: D17.C@62.35,126.875 64.275,126.875 65.075,126.075 v3(77.35,126.075)
NetD18_C: D18.C R57.2 | length 29.3
  Component Side w0.5: v3(55.625,126.825) 55.625,124.15 57.95,121.825 73.963,121.825 74.313,121.475 R57.2@78.911,121.475
  Solder Side w0.5: D18.C@53.375,126.875 53.425,126.825 v3(55.625,126.825)
NetD19_C: D19.C R59.2 | length 3.2
  Solder Side w0.5: D19.C@35.5,126.85 38.639,126.85 R59.2@38.65,126.839
NetD20_A: D20.A FB3.2 P19.1 Q16.3 | length 14.4
  Component Side w0.3: P19.1@82.33,36.8 82.33,38.505 84.475,40.65 84.475,42.743 Q16.3@84.468,42.75
  Component Side w1: Q16.3@84.468,42.75 FB3.2@87.161,42.75
  Solder Side w0.3: P19.1@82.33,36.8 82.33,36.43 81.3,35.4 81.3,33.975 81.775,33.5 D20.A@82.737,33.5
NetD20_C: D20.C R67.2 | length 5.8
  Component Side w0.3: v1(87.475,31.425) 87.486,31.414 R67.2@89.25,31.414
  Solder Side w0.3: D20.C@84.35,33.5 85.4,33.5 v1(87.475,31.425)
NetD28_A: D28.A FL1.1 P35.1 Q17.3 | length 76.1
  Component Side w0.3: P35.1@57.53,35.9 57.53,36.98 58.475,37.925 78.8,37.925 83.075,33.65 109.446,33.65 111.725,35.929 111.725,42.85 ; 111.738,42.838 112.8,43.9
  Component Side w1: Q17.3@112.3,45.657 112.3,44.425 112.983,43.742 FL1.1@115.3,43.742
  Solder Side w0.3: P35.1@57.63,35.85 57.63,35.33 56.65,34.35 56.65,33.125 57.125,32.65 D28.A@58.112,32.65
NetD28_C: D28.C R86.2 | length 10.5
  Component Side w0.3: R86.2@62.425,41.036 62.425,39.775 v3(62.45,39.75)
  Solder Side w0.3: D28.C@59.725,32.65 61.275,32.65 61.3,32.625 62.45,33.775 v3(62.45,39.75)
NetD29_C: D29.C R88.2 | length 3.7
  Solder Side w0.3: D29.C@68.1,32.6 70.45,32.6 70.925,33.075 R88.2@70.925,33.761
NetFB4_2: FB4.2 U25.18 | length 6.1
  Component Side w0.3: FB4.2@120.464,52.075 123.289,49.25 U25.18@125.4,49.25
NetFB5_2: FB5.2 U25.19 | length 9.1
  Component Side w0.3: FB5.2@118.05,52.386 119.161,51.275 120.275,51.275 123.4,48.15 U25.19@125.4,48.15
NetFB7_2: FB7.2 U25.20 | length 3.8
  Component Side w0.28: FB7.2@121.764,47.5 122.264,47 U25.20@125.363,47
NetFB8_2: FB8.2 U25.21 | length 3.6
  Component Side w0.28: FB8.2@121.764,46 121.864,45.9 U25.21@125.363,45.9
NetFB9_2: FB9.2 U24.4 | length 20.5
  Component Side w0.28: v1@163.65,58.175 v1(163.65,58.075) 163.65,57.975 164,57.625 U24.4@164.15,57.625
  Solder Side w0.28: FB9.2@148.664,67.55 FB9.2@148.914,67.55 155.525,67.55 163.65,59.425 v1(163.65,58.075)
NetFB10_1: FB10.1 U25.3 | length 8.3
  Component Side w0.3: U25.3@137.42,44.85 138.7,44.85 139.3,44.25 142.525,44.25 143.875,42.9 FB10.1@143.875,41.825
NetFB11_1: FB11.1 U25.4 | length 11.9
  Component Side w0.3: U25.4@137.42,45.95 138.825,45.95 139.05,45.725 144.525,45.725 146.475,43.775 146.475,41.85 146.45,41.825 FB11.1@146.45,41.8